# Allegro board HB1A-AAFM.brd (continued)
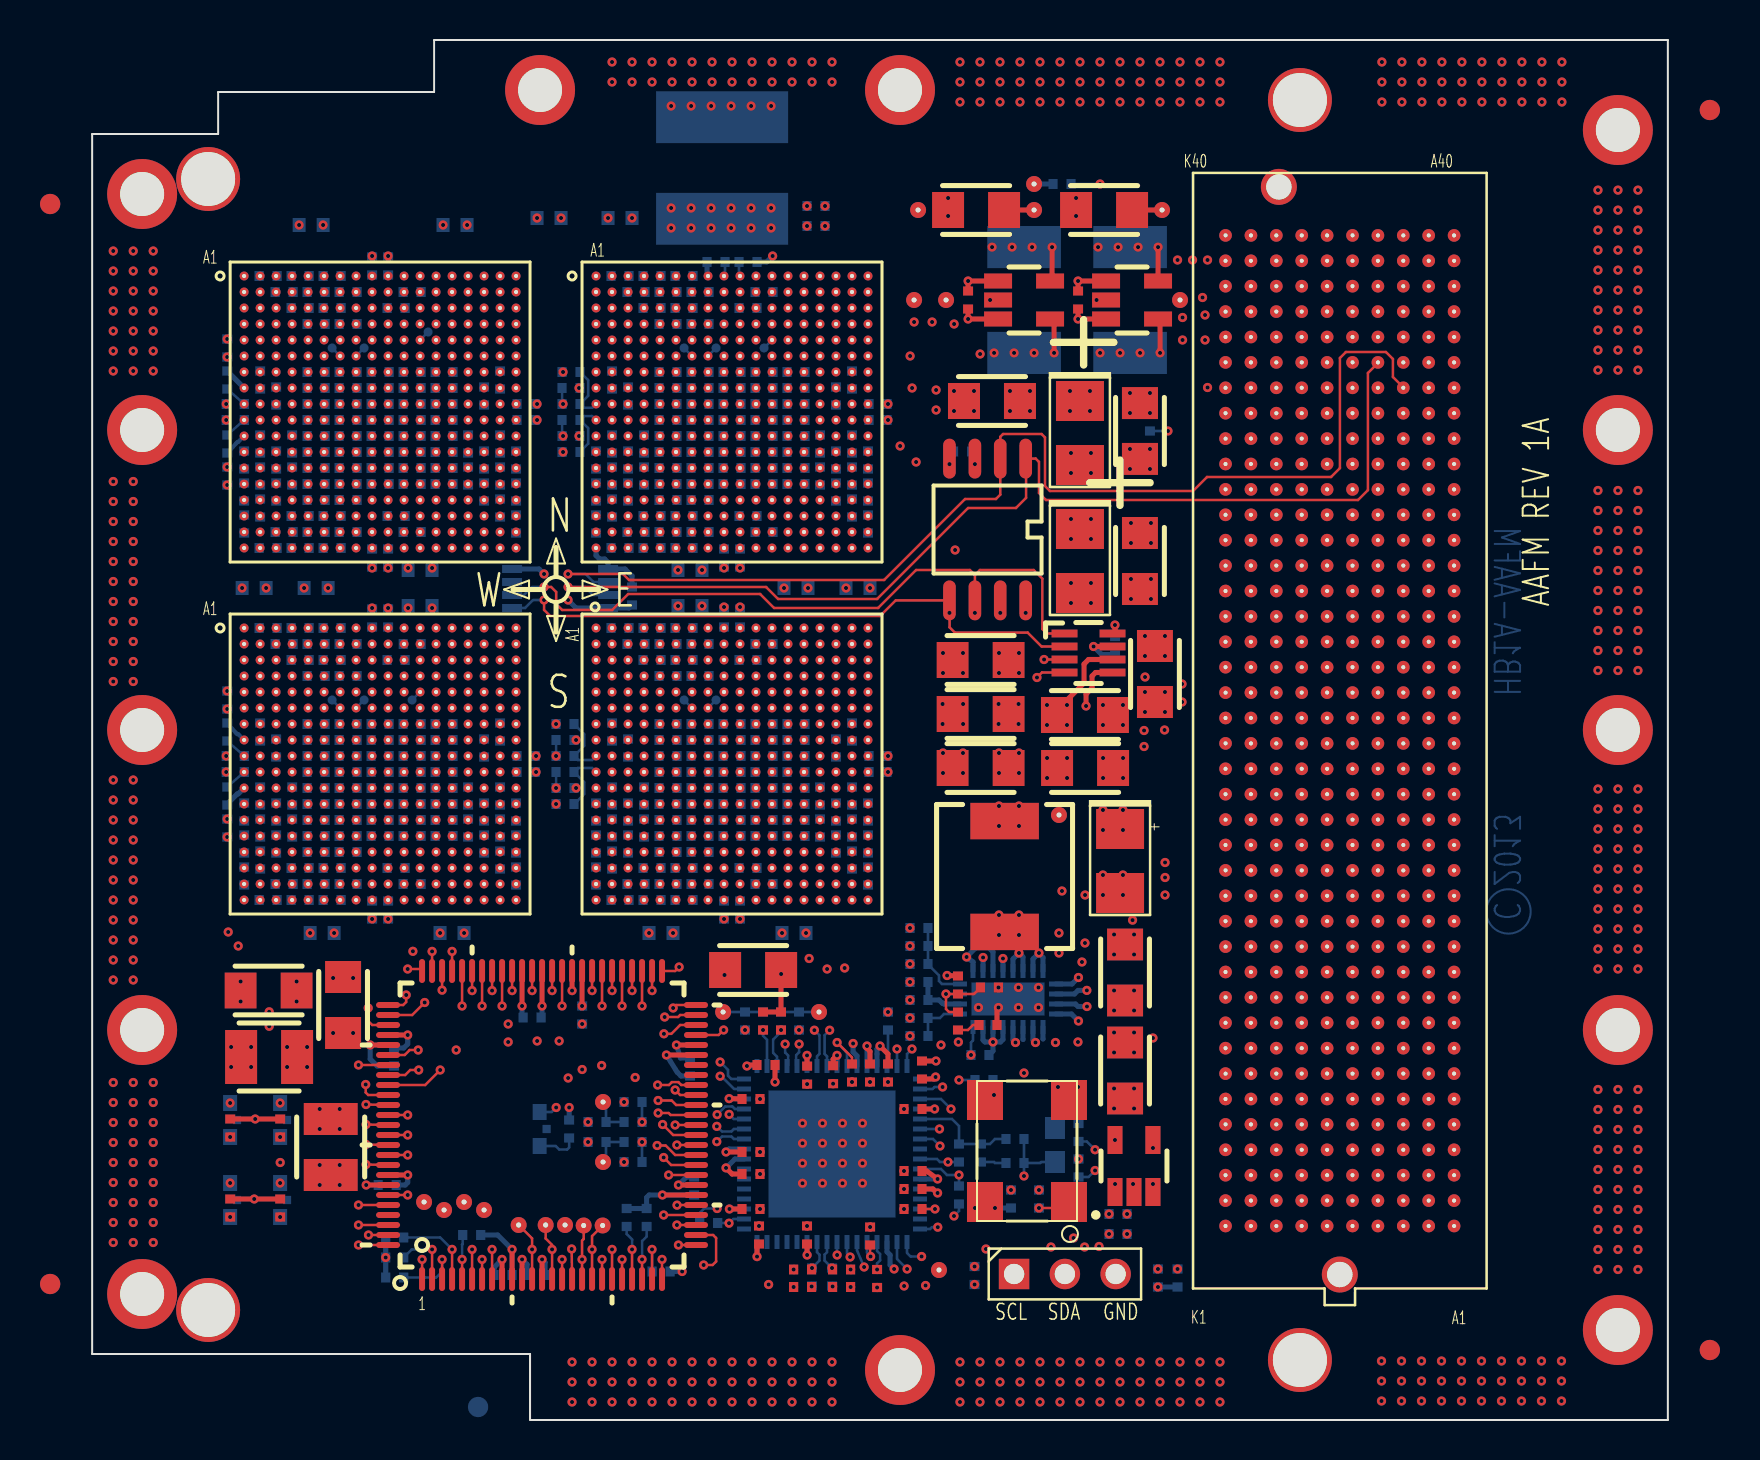
[diagram p0: board, top side]
## Nets (continued)
UR_UL_WE_DATA_P_6: R190.1 U3.N16(RXI_EA_DATA_P6) U4.C2(TXO_WE_DATA_P6)
UR_UL_WE_DATA_P_7: R196.1 U3.M15(RXI_EA_DATA_P7) U4.B1(TXO_WE_DATA_P7)
UR_UL_WE_FRAME_N: R182.2 U3.L17(RXI_EA_FRAME_N) U4.K4(TXO_WE_FRAME_N)
UR_UL_WE_FRAME_P: R182.1 U3.M17(RXI_EA_FRAME_P) U4.J4(TXO_WE_FRAME_P)
UR_UL_WE_LCLK_N: R175.2 U3.M18(RXI_EA_LCLK_N) U4.G1(TXO_WE_LCLK_N)
UR_UL_WE_LCLK_P: R175.1 U3.N18(RXI_EA_LCLK_P) U4.F1(TXO_WE_LCLK_P)
UR_UL_WE_RD_WAIT_N: R143.2 U3.J17(RXO_EA_RD_WAIT_N) U4.H2(TXI_WE_RD_WAIT_N)
UR_UL_WE_RD_WAIT_P: R143.1 U3.K17(RXO_EA_RD_WAIT_P) U4.G2(TXI_WE_RD_WAIT_P)
UR_UL_WE_WR_WAIT_N: R133.2 U3.K16(RXO_EA_WR_WAIT_N) U4.J3(TXI_WE_WR_WAIT_N)
UR_UL_WE_WR_WAIT_P: R133.1 U3.L16(RXO_EA_WR_WAIT_P) U4.H3(TXI_WE_WR_WAIT_P)
UR_XID3: U4.E7(XID3) U9.68(IO_B1_68)
UR_YID3: U4.F9(YID3) U9.72(IO_B1_72)
VREF_A_M2C: P1.H1(VREF_A_M2C)
VREF_B_M2C: P1.K1(VREF_B_M2C)
XCPLD_CLK: R79.1 U12.34(OUT6_P)
XFMC_CLK_N: R65.1 R67.1 U12.26(OUT9_N)
XFMC_CLK_P: R53.1 R60.1 U12.25(OUT9_P)
XLEFT_CCLK_N: R3.1 R73.1 U12.50(OUT2_N)
XLEFT_CCLK_P: R4.1 R68.1 U12.51(OUT2_P)
XLL_CCLK_N: R292.1 R293.1 U12.52(OUT1_N)
XLL_CCLK_P: R290.1 R291.1 U12.53(OUT1_P)
XLR_CCLK_N: R168.1 R169.1 U12.44(OUT4_N)
XLR_CCLK_P: R166.1 R167.1 U12.45(OUT4_P)
XRIGHT_CCLK_N: R131.1 R132.1 U12.42(OUT5_N)
XRIGHT_CCLK_P: R129.1 R130.1 U12.43(OUT5_P)
XUL_CCLK_N: R286.1 R287.1 U12.55(OUT0_N)
XUL_CCLK_P: R284.1 R285.1 U12.56(OUT0_P)
XUR_CCLK_N: R162.1 R163.1 U12.47(OUT3_N)
XUR_CCLK_P: R160.1 R161.1 U12.48(OUT3_P)
N00769: L1.1 U11.5(SW#5) U11.6(SW#6) U11.7(SW#7) U11.8(SW#8) U11.13(SW#13) U11.14(SW#14) U11.15(SW#15) U11.16(SW#16)
N01187: R30.2 R31.1 U11.22(VFB)
N01900: R32.1 R33.2 U11.21(MODE)
N05055: C21.1 R5.1
N141577: P1.J39(VIO_B_M2C) R17.1
N141587: P1.K40(VIO_B_M2C) R18.1
N6723338: D5.A R10.2
N6723342: D3.A R11.2
N6723346: D4.A R8.2
N6723350: D1.A R6.2
N6723354: D2.A R9.2
N6949474: C44.1 R23.1 R26.1 U12.5(CP)
N6949484: C48.1 R26.2 U12.9(LF)
N6949518: C43.1 C44.2 C45.2 C48.2 U12.10(BYPASS)
N6949746: C45.1 R23.2
N6950148: C38.2 U12.14(CLK_N)
N6950180: R19.2 X1.1(EN)
N6950262: R7.1 U12.58(RSET)
N6950266: R34.1 U12.62(CPRSET)
N6964358: TP8.1(TP) U12.6(STATUS)
N6985801: R295.2 U12.21(SP0)
N6985805: R296.2 U12.20(SP1)
N69496142: R22.1 X1.3(OUT)

Pads without a net: P1 A2 A3 A6 A7 A10 A11 A14 A15 A18 A19 A22 A23 A26 A27 A30 A31 A34 A35 A38 A39 B4 B5 B8 B9 B12 B13 B16 B17 B24 B25 B28 B29 B32 B33 B36 B37 B40 C2 C3 C6 C7 D34 E12 E13 E15 E16 E18 E19 E30 E31 E33 E34 E36 E37 F13 F14 F16 F17 F19 F20 F31 F32 F34 F35 F37 F38 J15 J16 J18 J19 J21 J22 J33 J34 J36 J37 K16 K17 K19 K20 K22 K23 K34 K35 K37 K38; PCB1 1; U9 43 44 97; U12 8 13 15 18 28 29 30 31 33 36 37 38 39; U13 3

## Via types
v1: diameter 0.46, hole 0.203, TOP to BOTTOM, 1052 vias

## Routing (per net, layer and track width the routed paths; a pad name or vN(x,y) marks a point on that pad's centre or on a via; arc(x,y) is an arc through that point)
GND: length 3607.4
  TOP w0.254: U9.10 v1(21,8.53) ; U1.1 v1(43.8,56.95) C4.2 ; C21.2 45.25,20.55 v1(45.33,20.62) ; U6.7 v1(50.08,38.67) ; U9.93 v1(15.78,12.25) ; U9.11 v1(21.5,8.03) ; C23.2 v1(42.2,17.95) ; U9.60 v1(24,21.47) ; C2.2 v1(49.3,56.95) U2.1 ; U9.46 v1(29.22,18.75) ; U9.65 v1(21.5,20.7) ; C22.2 v1(34.15,16.9) ; U9.32 v1(29.32,11.75) ; U9.79 v1(15.78,19.25)
  GND_L3 w0.254: P1.A21 68.5,34.71 ; P1.A21 68.5,35.49 ; P1.A21 67.72,34.71 ; P1.A21 67.72,35.49 ; 67.72,53.76 P1.A36 ; P1.A36 68.5,53.76 ; P1.A36 68.5,54.54 ; P1.A36 67.72,54.54 ; P1.A40 68.5,58.84 ; P1.A40 68.5,59.62 ; P1.A40 67.72,59.62 ; P1.A40 67.72,58.84 ; 13.67,48.73 U3.M9 ; U3.M9 13.67,48.08 ; U3.M9 14.32,48.73 ; U3.M9 14.32,48.08 ; 31.27,34.33 U8.H9 ; U8.H9 31.92,34.33 ; U8.H9 31.27,33.67 ; U8.H9 31.92,33.67 ; P1.D25 64.69,40.57 ; P1.D25 63.91,39.79 ; P1.D25 64.69,39.79 ; P1.D25 63.91,40.57 ; 17.67,32.88 U7.J14 ; U7.J14 18.32,33.52 ; U7.J14 18.32,32.88 ; U7.J14 17.67,33.52 ; U4.K11 33.52,49.67 ; U4.K11 32.88,50.33 ; U4.K11 32.88,49.67 ; U4.K11 33.52,50.33 ; 28.88,53.67 U4.E6 ; U4.E6 29.52,54.33 ; U4.E6 28.88,54.33 ; U4.E6 29.52,53.67 ; 63.91,17.71 P1.D7 ; P1.D7 64.69,16.93 ; P1.D7 63.91,16.93 ; P1.D7 64.69,17.71 ; P1.A28 68.5,43.6 ; P1.A28 67.72,43.6 ; P1.A28 68.5,44.38 ; P1.A28 67.72,44.38 ; P1.A16 68.5,29.14 ; P1.A16 68.5,28.36 ; P1.A16 67.72,29.14 ; P1.A16 67.72,28.36 ; U3.H7 12.73,51.27 ; U3.H7 12.07,51.27 ; U3.H7 12.73,51.92 ; U3.H7 12.07,51.92 ; P1.D16 64.69,29.14 ; P1.D16 63.91,29.14 ; P1.D16 63.91,28.36 ; P1.D16 64.69,28.36 ; U7.T16 19.92,27.93 ; U7.T16 19.92,27.27 ; U7.T16 19.27,27.93 ; U7.T16 19.27,27.27 ; U7.L12 16.73,31.93 ; U7.L12 16.07,31.93 ; U7.L12 16.07,31.27 ; U7.L12 16.73,31.27 ; 38.47,26.32 U8.V18 ; U8.V18 39.12,25.68 ; U8.V18 39.12,26.32 ; U8.V18 38.47,25.68 ; P1.E1 63.42,10.09 ; P1.E1 62.64,9.31 ; P1.E1 63.42,9.31 ; P1.E1 62.64,10.09 ; 20.88,51.92 U3.H18 ; U3.H18 21.52,51.27 ; U3.H18 21.52,51.92 ; U3.H18 20.88,51.27 ; P1.C33 65.96,50.73 ; P1.C33 65.18,49.95 ; P1.C33 65.96,49.95 ; P1.C33 65.18,50.73 ; U3.R4 10.32,45.67 ; U3.R4 9.67,45.67 ; U3.R4 9.67,46.33 ; U3.R4 10.32,46.33 ; 35.27,35.12 U8.G14 ; U8.G14 35.92,35.12 ; U8.G14 35.92,34.48 ; U8.G14 35.27,34.48 ; U4.L10 32.72,49.52 ; U4.L10 32.72,48.88 ; U4.L10 32.08,49.52 ; U4.L10 32.08,48.88 ; P1.C5 65.96,15.17 ; P1.C5 65.18,15.17 ; P1.C5 65.18,14.39 ; P1.C5 65.96,14.39 ; U4.N8 31.12,47.92 ; U4.N8 30.47,47.27 ; U4.N8 30.47,47.92 ; U4.N8 31.12,47.27 ; U3.F14 18.32,52.88 ; U3.F14 17.67,52.88 ; U3.F14 18.32,53.52 ; U3.F14 17.67,53.52 ; 62.64,52.49 P1.E35 ; P1.E35 63.42,52.49 ; P1.E35 62.64,53.27 ; P1.E35 63.42,53.27 ; 16.07,33.52 U7.J12 ; U7.J12 16.73,32.88 ; U7.J12 16.07,32.88 ; U7.J12 16.73,33.52 ; 56.29,57.57 P1.K39 ; P1.K39 57.07,58.35 ; P1.K39 57.07,57.57 ; P1.K39 56.29,58.35 ; 30.47,49.52 U4.L8 ; U4.L8 31.12,49.52 ; U4.L8 30.47,48.88 ; U4.L8 31.12,48.88 ; 13.67,30.48 U7.M9 ; U7.M9 14.32,31.12 ; U7.M9 13.67,31.12 ; U7.M9 14.32,30.48 ; P1.B15 67.23,27.09 ; P1.B15 66.45,27.09 ; P1.B15 67.23,27.87 ; P1.B15 66.45,27.87 ; 67.72,13.12 P1.A4 ; P1.A4 67.72,13.9 ; P1.A4 68.5,13.12 ; P1.A4 68.5,13.9 ; P1.G5 60.88,14.39 ; P1.G5 60.1,14.39 ; P1.G5 60.1,15.17 ; P1.G5 60.88,15.17 ; U3.C3 9.52,55.27 ; U3.C3 9.52,55.92 ; U3.C3 8.88,55.92 ; U3.C3 8.88,55.27 ; 67.72,24.55 P1.A13 ; P1.A13 67.72,25.33 ; P1.A13 68.5,25.33 ; P1.A13 68.5,24.55 ; 28.88,32.88 U8.J6 ; U8.J6 29.52,33.52 ; U8.J6 29.52,32.88 ; U8.J6 28.88,33.52 ; U8.N8 31.12,30.32 ; U8.N8 30.47,30.32 ; U8.N8 30.47,29.68 ; U8.N8 31.12,29.68 ; 67.72,48.68 P1.A32 ; P1.A32 67.72,49.46 ; P1.A32 68.5,49.46 ; P1.A32 68.5,48.68 ; 25.67,44.08 U4.U2 ; U4.U2 26.32,44.73 ; U4.U2 25.67,44.73 ; U4.U2 26.32,44.08 ; U4.A11 33.52,56.88 ; U4.A11 32.88,56.88 ; U4.A11 32.88,57.52 ; U4.A11 33.52,57.52 ; U8.D15 36.72,36.88 ; U8.D15 36.08,36.88 ; U8.D15 36.08,37.52 ; U8.D15 36.72,37.52 ; U8.U17 38.33,27.12 ; U8.U17 37.67,26.48 ; U8.U17 38.33,26.48 ; U8.U17 37.67,27.12 ; 65.18,25.33 P1.C13 ; P1.C13 65.96,24.55 ; P1.C13 65.96,25.33 ; P1.C13 65.18,24.55 ; 14.48,48.88 U3.L10 ; U3.L10 14.48,49.52 ; U3.L10 15.12,49.52 ; U3.L10 15.12,48.88 ; P1.K33 57.07,49.95 ; P1.K33 56.29,50.73 ; P1.K33 56.29,49.95 ; P1.K33 57.07,50.73 ; 56.29,54.54 P1.K36 ; P1.K36 57.07,53.76 ; P1.K36 56.29,53.76 ; P1.K36 57.07,54.54 ; 18.48,36.88 U7.D15 ; U7.D15 19.12,37.52 ; U7.D15 18.48,37.52 ; U7.D15 19.12,36.88 ; 30.47,31.27 U8.L8 ; U8.L8 31.12,31.93 ; U8.L8 30.47,31.93 ; U8.L8 31.12,31.27 ; 63.91,32.17 P1.D19 ; P1.D19 63.91,32.95 ; P1.D19 64.69,32.95 ; P1.D19 64.69,32.17 ; 62.64,44.87 P1.E29 ; P1.E29 63.42,45.65 ; P1.E29 63.42,44.87 ; P1.E29 62.64,45.65 ; 16.88,53.52 U3.F13 ; U3.F13 17.52,52.88 ; U3.F13 16.88,52.88 ; U3.F13 17.52,53.52 ; 31.27,51.27 U4.H9 ; U4.H9 31.92,51.27 ; U4.H9 31.27,51.92 ; U4.H9 31.92,51.92 ; U3.P11 15.92,46.48 ; U3.P11 15.92,47.12 ; U3.P11 15.27,47.12 ; U3.P11 15.27,46.48 ; U4.J12 34.33,51.12 ; U4.J12 34.33,50.48 ; U4.J12 33.67,51.12 ; U4.J12 33.67,50.48 ; 65.18,40.57 P1.C25 ; P1.C25 65.96,39.79 ; P1.C25 65.96,40.57 ; P1.C25 65.18,39.79 ; 15.27,48.73 U3.M11 ; U3.M11 15.92,48.08 ; U3.M11 15.27,48.08 ; U3.M11 15.92,48.73 ; 11.27,33.52 U7.J6 ; U7.J6 11.92,32.88 ; U7.J6 11.92,33.52 ; U7.J6 11.27,32.88 ; U7.P5 11.12,29.52 ; U7.P5 10.48,29.52 ; U7.P5 11.12,28.88 ; U7.P5 10.48,28.88 ; U7.H9 14.32,34.33 ; U7.H9 13.67,34.33 ; U7.H9 14.32,33.67 ; U7.H9 13.67,33.67 ; U3.V1 7.92,43.92 ; U3.V1 7.27,43.27 ; U3.V1 7.27,43.92 ; U3.V1 7.92,43.27 ; 60.1,18.2 P1.G8 ; P1.G8 60.88,18.98 ; P1.G8 60.1,18.98 ; P1.G8 60.88,18.2 ; P1.G38 60.88,56.3 ; P1.G38 60.88,57.08 ; P1.G38 60.1,57.08 ; P1.G38 60.1,56.3 ; 33.67,32.88 U8.J12 ; U8.J12 34.33,32.88 ; U8.J12 33.67,33.52 ; U8.J12 34.33,33.52 ; 57.56,30.41 P1.J17 ; P1.J17 58.34,29.63 ; P1.J17 58.34,30.41 ; P1.J17 57.56,29.63 ; 16.07,49.52 U3.L12 ; U3.L12 16.73,48.88 ; U3.L12 16.07,48.88 ; U3.L12 16.73,49.52 ; 16.88,48.73 U3.M13 ; U3.M13 17.52,48.08 ; U3.M13 16.88,48.08 ; U3.M13 17.52,48.73 ; 36.88,45.52 U4.T16 ; U4.T16 36.88,44.88 ; U4.T16 37.52,45.52 ; U4.T16 37.52,44.88 ; U7.A1 7.92,39.27 ; U7.A1 7.27,39.27 ; U7.A1 7.27,39.92 ; U7.A1 7.92,39.92 ; 17.67,35.27 U7.F14 ; U7.F14 18.32,35.27 ; U7.F14 18.32,35.92 ; U7.F14 17.67,35.92 ; U8.A18 39.12,39.92 ; U8.A18 38.47,39.27 ; U8.A18 39.12,39.27 ; U8.A18 38.47,39.92 ; 66.45,31.68 P1.B18 ; P1.B18 66.45,30.9 ; P1.B18 67.23,31.68 ; P1.B18 67.23,30.9 ; U8.L10 32.72,31.93 ; U8.L10 32.72,31.27 ; U8.L10 32.08,31.27 ; U8.L10 32.08,31.93 ; 58.83,34.71 P1.H21 ; P1.H21 59.61,34.71 ; P1.H21 59.61,35.49 ; P1.H21 58.83,35.49 ; P1.A20 68.5,33.44 ; P1.A20 68.5,34.22 ; P1.A20 67.72,34.22 ; P1.A20 67.72,33.44 ; 57.56,33.44 P1.J20 ; P1.J20 57.56,34.22 ; P1.J20 58.34,33.44 ; P1.J20 58.34,34.22 ; U8.J14 35.92,32.88 ; U8.J14 35.27,33.52 ; U8.J14 35.92,33.52 ; U8.J14 35.27,32.88 ; U3.A1 7.92,57.52 ; U3.A1 7.92,56.88 ; U3.A1 7.27,57.52 ; U3.A1 7.27,56.88 ; 62.64,49.46 P1.E32 ; P1.E32 62.64,48.68 ; P1.E32 63.42,49.46 ; P1.E32 63.42,48.68 ; U7.G14 18.32,35.12 ; U7.G14 17.67,34.48 ; U7.G14 17.67,35.12 ; U7.G14 18.32,34.48 ; U3.L18 21.52,48.88 ; U3.L18 20.88,49.52 ; U3.L18 20.88,48.88 ; U3.L18 21.52,49.52 ; 16.88,31.12 U7.M13 ; U7.M13 16.88,30.48 ; U7.M13 17.52,31.12 ; U7.M13 17.52,30.48 ; 11.27,47.27 U3.N6 ; U3.N6 11.92,47.27 ; U3.N6 11.27,47.92 ; U3.N6 11.92,47.92 ; 10.48,30.48 U7.M5 ; U7.M5 11.12,31.12 ; U7.M5 10.48,31.12 ; U7.M5 11.12,30.48 ; P1.J29 58.34,44.87 ; P1.J29 57.56,44.87 ; P1.J29 58.34,45.65 ; P1.J29 57.56,45.65 ; 62.64,13.12 P1.E4 ; P1.E4 63.42,13.9 ; P1.E4 62.64,13.9 ; P1.E4 63.42,13.12 ; U4.D4 27.92,55.12 ; U4.D4 27.92,54.48 ; U4.D4 27.27,55.12 ; U4.D4 27.27,54.48 ; P1.C16 65.96,29.14 ; P1.C16 65.18,28.36 ; P1.C16 65.96,28.36 ; P1.C16 65.18,29.14 ; U4.J14 35.92,51.12 ; U4.J14 35.27,51.12 ; U4.J14 35.27,50.48 ; U4.J14 35.92,50.48 ; U8.L6 29.52,31.93 ; U8.L6 28.88,31.27 ; U8.L6 28.88,31.93 ; U8.L6 29.52,31.27 ; 35.27,53.67 U4.E14 ; U4.E14 35.92,53.67 ; U4.E14 35.92,54.33 ; U4.E14 35.27,54.33 ; 58.83,27.09 P1.H15 ; P1.H15 58.83,27.87 ; P1.H15 59.61,27.87 ; P1.H15 59.61,27.09 ; U8.H18 39.12,34.33 ; U8.H18 38.47,33.67 ; U8.H18 38.47,34.33 ; U8.H18 39.12,33.67 ; P1.A37 68.5,55.81 ; P1.A37 67.72,55.81 ; P1.A37 67.72,55.03 ; P1.A37 68.5,55.03 ; U3.C16 19.92,55.92 ; U3.C16 19.92,55.27 ; U3.C16 19.27,55.92 ; U3.C16 19.27,55.27 ; 26.48,44.88 U4.T3 ; U4.T3 27.12,45.52 ; U4.T3 26.48,45.52 ; U4.T3 27.12,44.88 ; 28.07,49.67 U4.K5 ; U4.K5 28.07,50.33 ; U4.K5 28.72,50.33 ; U4.K5 28.72,49.67 ; P1.G35 60.88,52.49 ; P1.G35 60.1,53.27 ; P1.G35 60.88,53.27 ; P1.G35 60.1,52.49 ; 37.67,44.08 U4.U17 ; U4.U17 38.33,44.73 ; U4.U17 37.67,44.73 ; U4.U17 38.33,44.08 ; 17.67,30.32 U7.N14 ; U7.N14 17.67,29.68 ; U7.N14 18.32,29.68 ; U7.N14 18.32,30.32 ; 31.27,28.88 U8.P9 ; U8.P9 31.92,29.52 ; U8.P9 31.92,28.88 ; U8.P9 31.27,29.52 ; P1.E8 63.42,18.2 ; P1.E8 63.42,18.98 ; P1.E8 62.64,18.98 ; P1.E8 62.64,18.2 ; U8.U2 26.32,27.12 ; U8.U2 25.67,27.12 ; U8.U2 25.67,26.48 ; U8.U2 26.32,26.48 ; 66.45,52.49 P1.B35 ; P1.B35 67.23,52.49 ; P1.B35 66.45,53.27 ; P1.B35 67.23,53.27 ; 16.88,36.08 U7.E13 ; U7.E13 17.52,36.73 ; U7.E13 16.88,36.73 ; U7.E13 17.52,36.08 ; 58.83,50.73 P1.H33 ; P1.H33 58.83,49.95 ; P1.H33 59.61,49.95 ; P1.H33 59.61,50.73 ; U7.M7 12.73,31.12 ; U7.M7 12.07,30.48 ; U7.M7 12.73,30.48 ; U7.M7 12.07,31.12 ; U7.P7 12.73,28.88 ; U7.P7 12.07,28.88 ; U7.P7 12.73,29.52 ; U7.P7 12.07,29.52 ; U3.G10 15.12,52.73 ; U3.G10 15.12,52.08 ; U3.G10 14.48,52.08 ; U3.G10 14.48,52.73 ; 20.07,56.08 U3.B17 ; U3.B17 20.07,56.73 ; U3.B17 20.73,56.73 ; U3.B17 20.73,56.08 ; P1.A29 68.5,45.65 ; P1.A29 67.72,45.65 ; P1.A29 67.72,44.87 ; P1.A29 68.5,44.87 ; P1.H24 59.61,38.52 ; P1.H24 58.83,39.3 ; P1.H24 58.83,38.52 ; P1.H24 59.61,39.3 ; 50.48,6.6 J1.3 ; J1.3 51.89,8 ; J1.3 51.89,6.6 ; J1.3 50.48,8 ; U7.A11 15.92,39.27 ; U7.A11 15.27,39.92 ; U7.A11 15.27,39.27 ; U7.A11 15.92,39.92 ; P1.F30 62.15,46.92 ; P1.F30 62.15,46.14 ; P1.F30 61.37,46.92 ; P1.F30 61.37,46.14 ; U7.L10 15.12,31.93 ; U7.L10 14.48,31.93 ; U7.L10 15.12,31.27 ; U7.L10 14.48,31.27 ; 16.88,28.88 U7.P13 ; U7.P13 17.52,28.88 ; U7.P13 16.88,29.52 ; U7.P13 17.52,29.52 ; 10.48,33.67 U7.H5 ; U7.H5 11.12,33.67 ; U7.H5 10.48,34.33 ; U7.H5 11.12,34.33 ; 12.88,52.08 U3.G8 ; U3.G8 13.52,52.73 ; U3.G8 13.52,52.08 ; U3.G8 12.88,52.73 ; 28.88,47.92 U4.N6 ; U4.N6 29.52,47.92 ; U4.N6 28.88,47.27 ; U4.N6 29.52,47.27 ; U7.L8 13.52,31.93 ; U7.L8 13.52,31.27 ; U7.L8 12.88,31.93 ; U7.L8 12.88,31.27 ; U4.L18 39.12,48.88 ; U4.L18 38.47,48.88 ; U4.L18 38.47,49.52 ; U4.L18 39.12,49.52 ; U4.P5 28.72,46.48 ; U4.P5 28.07,47.12 ; U4.P5 28.07,46.48 ; U4.P5 28.72,47.12 ; U7.P9 14.32,28.88 ; U7.P9 14.32,29.52 ; U7.P9 13.67,28.88 ; U7.P9 13.67,29.52 ; U7.N6 11.92,29.68 ; U7.N6 11.27,30.32 ; U7.N6 11.92,30.32 ; U7.N6 11.27,29.68 ; 30.47,57.52 U4.A8 ; U4.A8 30.47,56.88 ; U4.A8 31.12,56.88 ; U4.A8 31.12,57.52 ; 32.08,34.48 U8.G10 ; U8.G10 32.72,35.12 ; U8.G10 32.72,34.48 ; U8.G10 32.08,35.12 ; U8.F14 35.92,35.27 ; U8.F14 35.27,35.92 ; U8.F14 35.27,35.27 ; U8.F14 35.92,35.92 ; P1.K2 57.07,10.58 ; P1.K2 56.29,10.58 ; P1.K2 56.29,11.36 ; P1.K2 57.07,11.36 ; 32.88,29.52 U8.P11 ; U8.P11 33.52,28.88 ; U8.P11 32.88,28.88 ; U8.P11 33.52,29.52 ; U8.L12 34.33,31.27 ; U8.L12 33.67,31.93 ; U8.L12 34.33,31.93 ; U8.L12 33.67,31.27 ; U7.F5 11.12,35.92 ; U7.F5 10.48,35.92 ; U7.F5 10.48,35.27 ; U7.F5 11.12,35.27 ; 66.45,51.22 P1.B34 ; P1.B34 67.23,51.22 ; P1.B34 67.23,52 ; P1.B34 66.45,52 ; 29.67,28.88 U8.P7 ; U8.P7 30.32,29.52 ; U8.P7 30.32,28.88 ; U8.P7 29.67,29.52 ; 17.67,31.27 U7.L14 ; U7.L14 18.32,31.27 ; U7.L14 17.67,31.93 ; U7.L14 18.32,31.93 ; P1.H36 59.61,54.54 ; P1.H36 58.83,53.76 ; P1.H36 58.83,54.54 ; P1.H36 59.61,53.76 ; 10.48,53.52 U3.F5 ; U3.F5 11.12,53.52 ; U3.F5 10.48,52.88 ; U3.F5 11.12,52.88 ; P1.J8 58.34,18.2 ; P1.J8 57.56,18.98 ; P1.J8 57.56,18.2 ; P1.J8 58.34,18.98 ; P1.K9 57.07,19.47 ; P1.K9 56.29,19.47 ; P1.K9 57.07,20.25 ; P1.K9 56.29,20.25 ; 12.88,47.92 U3.N8 ; U3.N8 13.52,47.92 ; U3.N8 13.52,47.27 ; U3.N8 12.88,47.27 ; P1.A8 68.5,18.2 ; P1.A8 67.72,18.2 ; P1.A8 67.72,18.98 ; P1.A8 68.5,18.98 ; 15.27,56.88 U3.A11 ; U3.A11 15.92,56.88 ; U3.A11 15.27,57.52 ; U3.A11 15.92,57.52 ; P1.K30 57.07,46.92 ; P1.K30 56.29,46.92 ; P1.K30 57.07,46.14 ; P1.K30 56.29,46.14 ; U4.G6 29.52,52.08 ; U4.G6 29.52,52.73 ; U4.G6 28.88,52.73 ; U4.G6 28.88,52.08 ; 67.72,15.17 P1.A5 ; P1.A5 67.72,14.39 ; P1.A5 68.5,14.39 ; P1.A5 68.5,15.17 ; 31.27,32.08 U8.K9 ; U8.K9 31.27,32.73 ; U8.K9 31.92,32.73 ; U8.K9 31.92,32.08 ; 15.27,43.92 U3.V11 ; U3.V11 15.92,43.27 ; U3.V11 15.92,43.92 ; U3.V11 15.27,43.27 ; U8.V1 25.52,25.68 ; U8.V1 24.88,25.68 ; U8.V1 24.88,26.32 ; U8.V1 25.52,26.32 ; U4.L12 34.33,49.52 ; U4.L12 33.67,48.88 ; U4.L12 34.33,48.88 ; U4.L12 33.67,49.52 ; P1.C17 65.96,30.41 ; P1.C17 65.18,29.63 ; P1.C17 65.96,29.63 ; P1.C17 65.18,30.41 ; U8.K7 30.32,32.08 ; U8.K7 30.32,32.73 ; U8.K7 29.67,32.73 ; U8.K7 29.67,32.08 ; 19.27,44.88 U3.T16 ; U3.T16 19.92,44.88 ; U3.T16 19.27,45.52 ; U3.T16 19.92,45.52 ; 16.88,47.12 U3.P13 ; U3.P13 16.88,46.48 ; U3.P13 17.52,47.12 ; U3.P13 17.52,46.48 ; 34.47,52.88 U4.F13 ; U4.F13 35.12,53.52 ; U4.F13 34.47,53.52 ; U4.F13 35.12,52.88 ; U8.C3 27.12,37.67 ; U8.C3 26.48,37.67 ; U8.C3 27.12,38.33 ; U8.C3 26.48,38.33 ; P1.B10 67.23,20.74 ; P1.B10 66.45,20.74 ; P1.B10 67.23,21.52 ; P1.B10 66.45,21.52 ; U4.E5 28.72,54.33 ; U4.E5 28.07,53.67 ; U4.E5 28.72,53.67 ; U4.E5 28.07,54.33 ; 66.45,41.84 P1.B26 ; P1.B26 66.45,41.06 ; P1.B26 67.23,41.06 ; P1.B26 67.23,41.84 ; P1.F9 62.15,19.47 ; P1.F9 61.37,20.25 ; P1.F9 62.15,20.25 ; P1.F9 61.37,19.47 ; P1.E17 63.42,30.41 ; P1.E17 63.42,29.63 ; P1.E17 62.64,29.63 ; P1.E17 62.64,30.41 ; U7.V18 21.52,25.68 ; U7.V18 20.88,25.68 ; U7.V18 20.88,26.32 ; U7.V18 21.52,26.32 ; 30.47,51.12 U4.J8 ; U4.J8 31.12,50.48 ; U4.J8 31.12,51.12 ; U4.J8 30.47,50.48 ; 10.48,32.73 U7.K5 ; U7.K5 11.12,32.73 ; U7.K5 10.48,32.08 ; U7.K5 11.12,32.08 ; 30.47,52.73 U4.G8 ; U4.G8 31.12,52.08 ; U4.G8 31.12,52.73 ; U4.G8 30.47,52.08 ; 62.64,56.3 P1.E38 ; P1.E38 62.64,57.08 ; P1.E38 63.42,57.08 ; P1.E38 63.42,56.3 ; 32.88,46.48 U4.P11 ; U4.P11 33.52,47.12 ; U4.P11 33.52,46.48 ; U4.P11 32.88,47.12 ; 60.1,30.41 P1.G17 ; P1.G17 60.88,30.41 ; P1.G17 60.88,29.63 ; P1.G17 60.1,29.63 ; 63.91,25.33 P1.D13 ; P1.D13 64.69,25.33 ; P1.D13 63.91,24.55 ; P1.D13 64.69,24.55 ; P1.K18 57.07,31.68 ; P1.K18 56.29,30.9 ; P1.K18 56.29,31.68 ; P1.K18 57.07,30.9 ; 15.27,51.92 U3.H11 ; U3.H11 15.27,51.27 ; U3.H11 15.92,51.92 ; U3.H11 15.92,51.27 ; U4.J6 29.52,50.48 ; U4.J6 28.88,51.12 ; U4.J6 28.88,50.48 ; U4.J6 29.52,51.12 ; U8.R15 36.72,28.07 ; U8.R15 36.72,28.73 ; U8.R15 36.08,28.73 ; U8.R15 36.08,28.07 ; U3.L14 18.32,49.52 ; U3.L14 18.32,48.88 ; U3.L14 17.67,49.52 ; U3.L14 17.67,48.88 ; 25.67,38.48 U8.B2 ; U8.B2 26.32,39.12 ; U8.B2 26.32,38.48 ; U8.B2 25.67,39.12 ; 8.07,26.48 U7.U2 ; U7.U2 8.73,26.48 ; U7.U2 8.07,27.12 ; U7.U2 8.73,27.12 ; U7.H13 17.52,33.67 ; U7.H13 16.88,33.67 ; U7.H13 17.52,34.33 ; U7.H13 16.88,34.33 ; 16.07,47.27 U3.N12 ; U3.N12 16.73,47.92 ; U3.N12 16.07,47.92 ; U3.N12 16.73,47.27 ; U7.C16 19.92,37.67 ; U7.C16 19.27,37.67 ; U7.C16 19.92,38.33 ; U7.C16 19.27,38.33 ; 65.18,43.6 P1.C28 ; P1.C28 65.96,44.38 ; P1.C28 65.18,44.38 ; P1.C28 65.96,43.6 ; 65.18,53.76 P1.C36 ; P1.C36 65.96,54.54 ; P1.C36 65.18,54.54 ; P1.C36 65.96,53.76 ; U8.N12 34.33,30.32 ; U8.N12 33.67,29.68 ; U8.N12 33.67,30.32 ; U8.N12 34.33,29.68 ; P1.J4 58.34,13.12 ; P1.J4 57.56,13.12 ; P1.J4 57.56,13.9 ; P1.J4 58.34,13.9 ; 61.37,42.33 P1.F27 ; P1.F27 62.15,43.11 ; P1.F27 62.15,42.33 ; P1.F27 61.37,43.11 ; U3.G12 16.73,52.08 ; U3.G12 16.73,52.73 ; U3.G12 16.07,52.08 ; U3.G12 16.07,52.73 ; U7.H1 7.92,33.67 ; U7.H1 7.27,33.67 ; U7.H1 7.92,34.33 ; U7.H1 7.27,34.33 ; 15.27,31.12 U7.M11 ; U7.M11 15.92,31.12 ; U7.M11 15.27,30.48 ; U7.M11 15.92,30.48 ; P1.C40 65.96,59.62 ; P1.C40 65.18,58.84 ; P1.C40 65.18,59.62 ; P1.C40 65.96,58.84 ; U4.F6 29.52,53.52 ; U4.F6 28.88,52.88 ; U4.F6 28.88,53.52 ; U4.F6 29.52,52.88 ; 28.88,35.92 U8.F6 ; U8.F6 29.52,35.27 ; U8.F6 28.88,35.27 ; U8.F6 29.52,35.92 ; 65.18,23.28 P1.C12 ; P1.C12 65.96,23.28 ; P1.C12 65.18,24.06 ; P1.C12 65.96,24.06 ; 57.56,41.06 P1.J26 ; P1.J26 58.34,41.06 ; P1.J26 57.56,41.84 ; P1.J26 58.34,41.84 ; 24.88,31.27 U8.L1 ; U8.L1 25.52,31.93 ; U8.L1 25.52,31.27 ; U8.L1 24.88,31.93 ; U7.J8 13.52,33.52 ; U7.J8 12.88,33.52 ; U7.J8 13.52,32.88 ; U7.J8 12.88,32.88 ; U8.E6 29.52,36.08 ; U8.E6 29.52,36.73 ; U8.E6 28.88,36.08 ; U8.E6 28.88,36.73 ; U3.K9 14.32,50.33 ; U3.K9 13.67,50.33 ; U3.K9 13.67,49.67 ; U3.K9 14.32,49.67 ; 11.27,51.12 U3.J6 ; U3.J6 11.92,50.48 ; U3.J6 11.92,51.12 ; U3.J6 11.27,50.48 ; P1.C21 65.96,35.49 ; P1.C21 65.96,34.71 ; P1.C21 65.18,34.71 ; P1.C21 65.18,35.49 ; U7.G6 11.92,35.12 ; U7.G6 11.27,34.48 ; U7.G6 11.27,35.12 ; U7.G6 11.92,34.48 ; 33.67,35.12 U8.G12 ; U8.G12 34.33,34.48 ; U8.G12 33.67,34.48 ; U8.G12 34.33,35.12 ; P1.D28 64.69,43.6 ; P1.D28 63.91,43.6 ; P1.D28 64.69,44.38 ; P1.D28 63.91,44.38 ; U4.F14 35.92,53.52 ; U4.F14 35.92,52.88 ; U4.F14 35.27,53.52 ; U4.F14 35.27,52.88 ; P1.F21 62.15,34.71 ; P1.F21 62.15,35.49 ; P1.F21 61.37,34.71 ; P1.F21 61.37,35.49 ; 29.67,48.08 U4.M7 ; U4.M7 30.32,48.73 ; U4.M7 30.32,48.08 ; U4.M7 29.67,48.73 ; P1.J40 58.34,58.84 ; P1.J40 58.34,59.62 ; P1.J40 57.56,58.84 ; P1.J40 57.56,59.62 ; U7.K11 15.92,32.73 ; U7.K11 15.92,32.08 ; U7.K11 15.27,32.73 ; U7.K11 15.27,32.08 ; 30.47,35.12 U8.G8 ; U8.G8 30.47,34.48 ; U8.G8 31.12,34.48 ; U8.G8 31.12,35.12 ; 31.27,49.67 U4.K9 ; U4.K9 31.27,50.33 ; U4.K9 31.92,50.33 ; U4.K9 31.92,49.67 ; 26.48,55.27 U4.C3 ; U4.C3 27.12,55.27 ; U4.C3 27.12,55.92 ; U4.C3 26.48,55.92 ; 16.07,30.32 U7.N12 ; U7.N12 16.73,30.32 ; U7.N12 16.07,29.68 ; U7.N12 16.73,29.68 ; P1.B2 67.23,10.58 ; P1.B2 67.23,11.36 ; P1.B2 66.45,11.36 ; P1.B2 66.45,10.58 ; 65.18,13.9 P1.C4 ; P1.C4 65.96,13.9 ; P1.C4 65.96,13.12 ; P1.C4 65.18,13.12 ; 12.07,48.08 U3.M7 ; U3.M7 12.73,48.08 ; U3.M7 12.73,48.73 ; U3.M7 12.07,48.73 ; 61.37,27.87 P1.F15 ; P1.F15 62.15,27.87 ; P1.F15 61.37,27.09 ; P1.F15 62.15,27.09 ; U7.T3 9.52,27.93 ; U7.T3 9.52,27.27 ; U7.T3 8.88,27.93 ; U7.T3 8.88,27.27 ; U7.J10 15.12,32.88 ; U7.J10 14.48,32.88 ; U7.J10 15.12,33.52 ; U7.J10 14.48,33.52 ; 66.45,57.08 P1.B38 ; P1.B38 67.23,56.3 ; P1.B38 67.23,57.08 ; P1.B38 66.45,56.3 ; U4.B17 38.33,56.73 ; U4.B17 37.67,56.73 ; U4.B17 38.33,56.08 ; U4.B17 37.67,56.08 ; 13.67,47.12 U3.P9 ; U3.P9 14.32,46.48 ; U3.P9 14.32,47.12 ; U3.P9 13.67,46.48 ; 18.48,28.73 U7.R15 ; U7.R15 18.48,28.07 ; U7.R15 19.12,28.07 ; U7.R15 19.12,28.73 ; 32.08,29.68 U8.N10 ; U8.N10 32.08,30.32 ; U8.N10 32.72,29.68 ; U8.N10 32.72,30.32 ; 58.83,20.25 P1.H9 ; P1.H9 59.61,20.25 ; P1.H9 59.61,19.47 ; P1.H9 58.83,19.47 ; P1.G23 60.88,38.03 ; P1.G23 60.88,37.25 ; P1.G23 60.1,37.25 ; P1.G23 60.1,38.03 ; 28.07,51.92 U4.H5 ; U4.H5 28.72,51.92 ; U4.H5 28.72,51.27 ; U4.H5 28.07,51.27 ; U3.V8 13.52,43.92 ; U3.V8 12.88,43.27 ; U3.V8 13.52,43.27 ; U3.V8 12.88,43.92 ; 24.88,39.92 U8.A1 ; U8.A1 25.52,39.27 ; U8.A1 25.52,39.92 ; U8.A1 24.88,39.27 ; U7.D4 10.32,36.88 ; U7.D4 9.67,36.88 ; U7.D4 9.67,37.52 ; U7.D4 10.32,37.52 ; 16.88,32.73 U7.K13 ; U7.K13 17.52,32.08 ; U7.K13 17.52,32.73 ; U7.K13 16.88,32.08 ; 34.47,34.33 U8.H13 ; U8.H13 35.12,33.67 ; U8.H13 34.47,33.67 ; U8.H13 35.12,34.33 ; 11.27,35.92 U7.F6 ; U7.F6 11.27,35.27 ; U7.F6 11.92,35.27 ; U7.F6 11.92,35.92 ; 11.27,31.27 U7.L6 ; U7.L6 11.27,31.93 ; U7.L6 11.92,31.27 ; U7.L6 11.92,31.93 ; 30.47,39.27 U8.A8 ; U8.A8 31.12,39.92 ; U8.A8 30.47,39.92 ; U8.A8 31.12,39.27 ; P1.E14 63.42,26.6 ; P1.E14 62.64,25.82 ; P1.E14 63.42,25.82 ; P1.E14 62.64,26.6 ; U7.H11 15.92,34.33 ; U7.H11 15.92,33.67 ; U7.H11 15.27,34.33 ; U7.H11 15.27,33.67 ; U3.K11 15.92,49.67 ; U3.K11 15.27,49.67 ; U3.K11 15.92,50.33 ; U3.K11 15.27,50.33 ; 32.88,48.08 U4.M11 ; U4.M11 32.88,48.73 ; U4.M11 33.52,48.08 ; U4.M11 33.52,48.73 ; U7.G10 15.12,35.12 ; U7.G10 15.12,34.48 ; U7.G10 14.48,35.12 ; U7.G10 14.48,34.48 ; 35.27,31.93 U8.L14 ; U8.L14 35.27,31.27 ; U8.L14 35.92,31.27 ; U8.L14 35.92,31.93 ; 58.83,11.36 P1.H2 ; P1.H2 59.61,11.36 ; P1.H2 59.61,10.58 ; P1.H2 58.83,10.58 ; 67.72,24.06 P1.A12 ; P1.A12 68.5,24.06 ; P1.A12 67.72,23.28 ; P1.A12 68.5,23.28 ; U3.K5 11.12,49.67 ; U3.K5 11.12,50.33 ; U3.K5 10.48,49.67 ; U3.K5 10.48,50.33 ; P1.A24 68.5,38.52 ; P1.A24 68.5,39.3 ; P1.A24 67.72,39.3 ; P1.A24 67.72,38.52 ; 28.88,49.52 U4.L6 ; U4.L6 29.52,48.88 ; U4.L6 28.88,48.88 ; U4.L6 29.52,49.52 ; U4.K7 30.32,50.33 ; U4.K7 29.67,50.33 ; U4.K7 29.67,49.67 ; U4.K7 30.32,49.67 ; U7.K7 12.73,32.08 ; U7.K7 12.73,32.73 ; U7.K7 12.07,32.73 ; U7.K7 12.07,32.08 ; U7.U17 20.73,26.48 ; U7.U17